# Altium PCB Control2.PcbDoc (part 2 of 2)
Units mil, origin at the board's own origin, x right, y up, seen from the top; angles counter-clockwise.
Board outline 2382.03 x 2197.03 mil, 2 copper layers (Top Layer, Bottom Layer); 85 components, 68 nets, 308 pads, 164 vias.
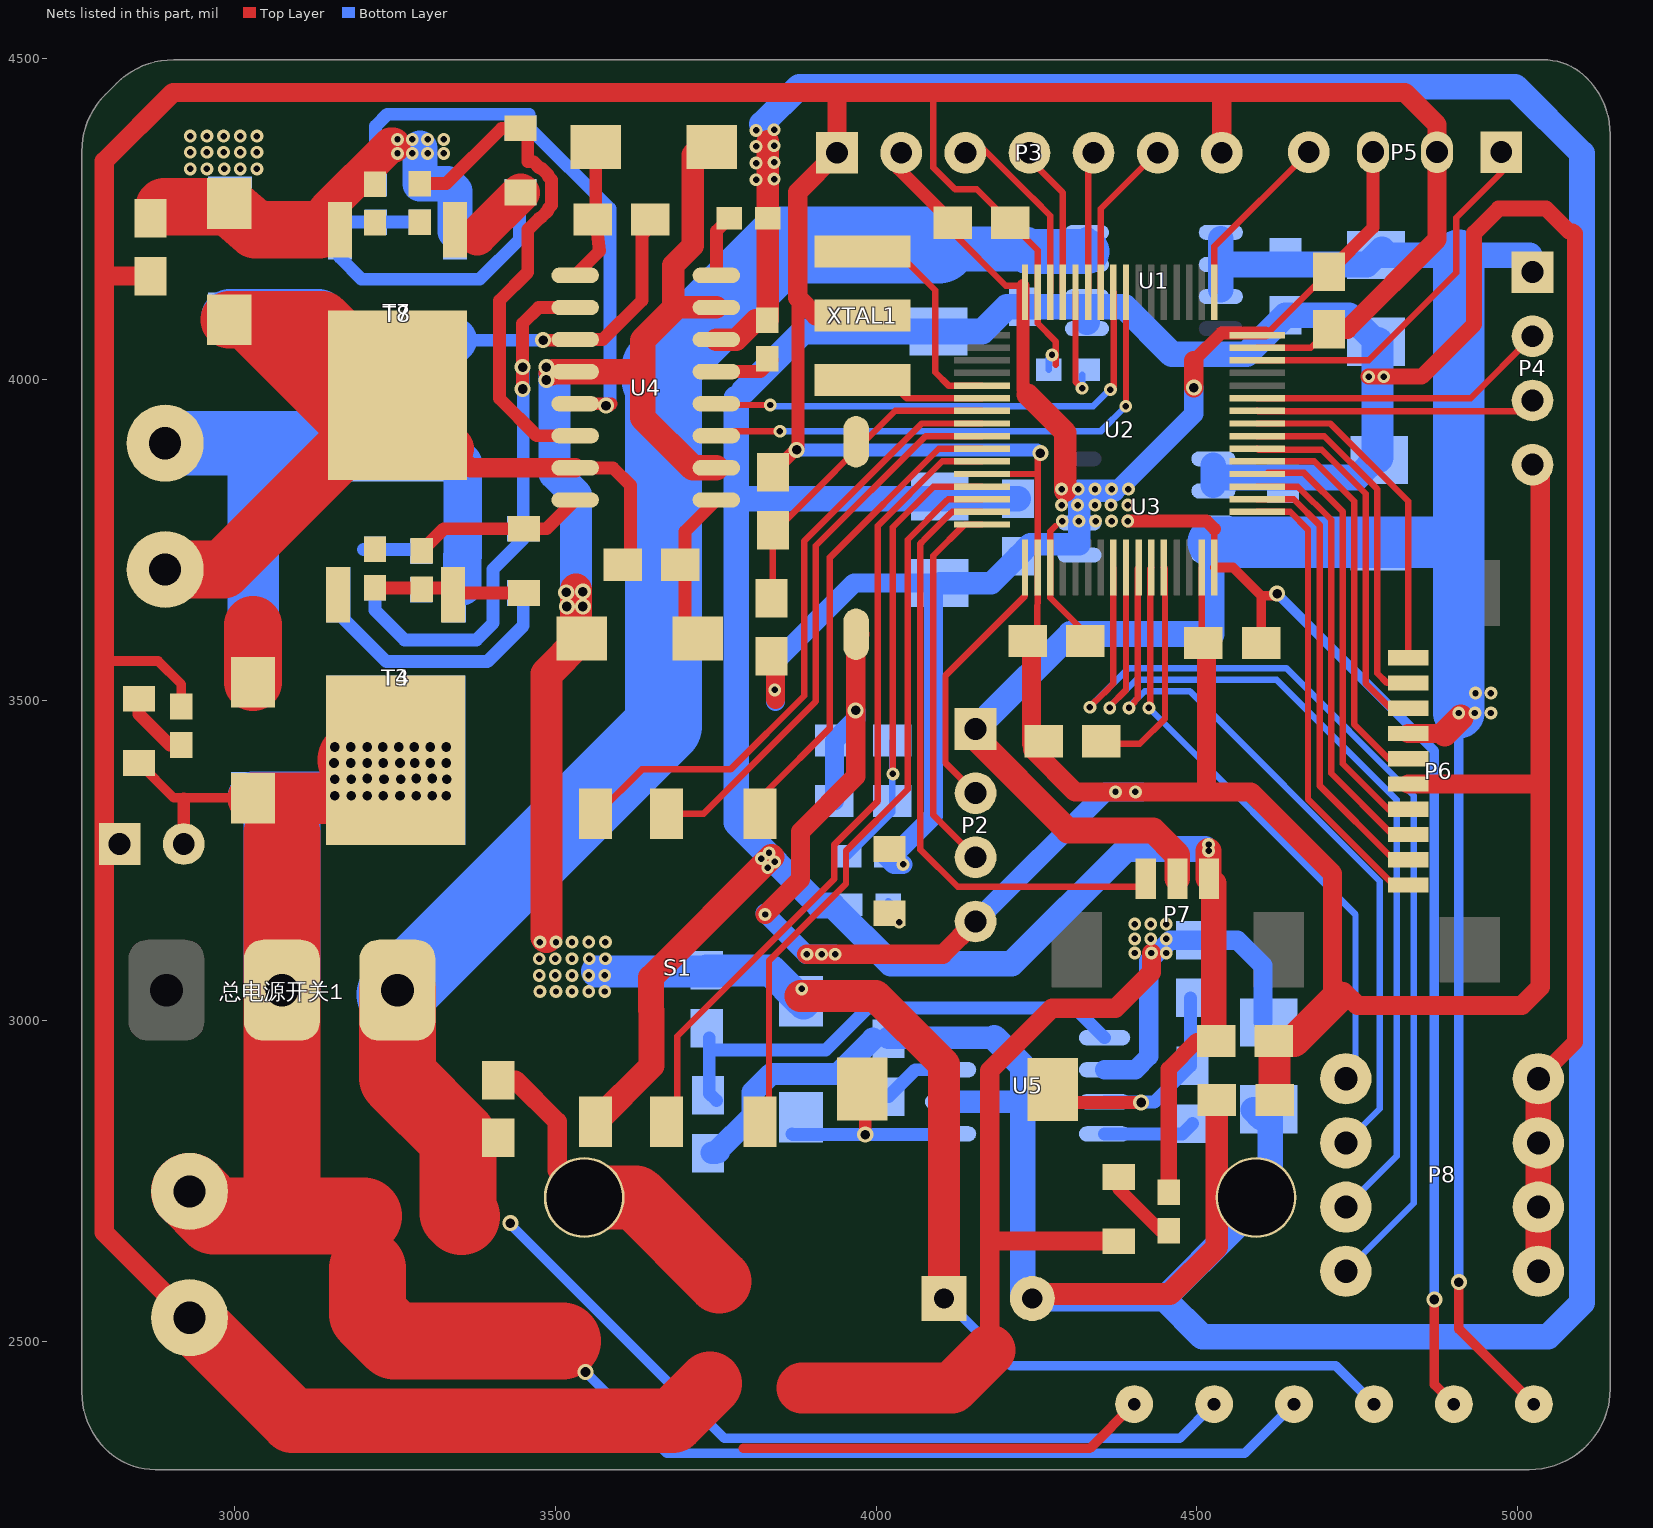
[diagram p2: the nets of this part, all layers, seen from the top]

## Part data
1 C5 C6 C7 C8 C9 C10: library part C1
C1 C2 C11 C12: library part "pol cap", "通用有极电容"
C3 C4 C13 C14: library part Cap, "无极电容"
C15 C17 C19: library part "Cap Semi", "Capacitor (Semiconductor SIM Model)"
C16: library part "Cap Pol SMT G", "Polarized Capacitor (Radial)"
C18: library part "Cap Pol1", "Polarized Capacitor (Radial)"
C20: library part Cap1, "无极贴片电容"
D1 D2 D3 D4 D5 D6 D7: library part 二极管
JMU1: library part JMU-LOGO
L1: library part Inductor
LED1 LED2 LED3 T1 T2 T5 T6: library part LED, "发光二极管"
P1 P9: library part "Header 2", "Header, 2-Pin"
P2 P4 P5: library part "Header 4"
P3: library part "Header 7", "排针"
P6: "软排线底座"
P7: library part 接线端子-3PIN, "3PIN"
P8: library part 拨码开关4, "4位拨码开关"
P12: "排针"
R1 R2 R3 R4 R6 R7 R8 R9 R10 R11 R12 R13 R14 R15: library part Res, "通用电阻"
R5 R16 R17 R18 R19 R20 R21 R22 R23 R24: library part Res, "电阻"
S1: library part 5轴按键, "5轴按键"
T3 T4 T7 T8: library part N_MOS(IRLR7843)
U1: "稳压元件（5V）"
U2: "STM32单片机64引脚"
U3: "稳压元件（3.3V）"
XTAL1: library part XTAL三脚贴片晶振
复位按键1: library part Key(两脚贴片)
总电源开关1: library part 钮子开关（大）, "AC 250V/6A"

## Free pads (board coordinates)
  round 125.98 hole 118.11: 2(3545,2725) 2(4592.15,2725)
  round 59.06 hole 19.68: 3(4900.4,2403) 3(5025,2403) 4(4775.8,2403) 5(4651.2,2403) 6(4526.6,2403) 7(4402,2403)

## Via types
v1: diameter 20, hole 10, Top Layer to Bottom Layer, 109 vias
v2: diameter 25, hole 15, Top Layer to Bottom Layer, 53 vias
v3: diameter 35.43, hole 35.43, Top Layer to Bottom Layer, 2 vias

## Nets (pads, with @x,y where several pads share a name; then routed paths per layer and width w, separated by ;. In a path a pad name is that pad's centre, name@x,y a point inside that pad or via, vN(x,y) a via of type N, cw(c..) or ccw(c..) an arc to the next point about the centre after c; other vN are vias at no path point)
3V3: C7.2 C8.2 C9.2 C10.2 C12.1 C14.2 LED1.1 P3.2 P5.3 pad.3@4900.4,2403 R5.2 R19.2 U2.19 U2.32 U2.48 U2.64 U3.5 U3.6 U3.7 | length 4666.7
  Top Layer w10: C7.2@4119,4244 4119,4229 4202,4146 U2.64@4228.61,4146 ; 4279,3771 4271.3,3763.3 U2.19@4271.3,3706.79 4271.3,3659.79 4336.09,3595 C8.2@4340,3595 ; U2.32@4527.2,3706.8 4527.2,3766.8 ; U2.48@4608.66,4070.66 C10.2@4706,4168
  Top Layer w15: U2.32@4528.02,3706.8 4556.2,3706.8 4600,3663 ; C9.2@4600,3589 4600,3663 ; v2(4625,3666) 4622,3663 4600,3663 ; v2(4870,2566) 4870,2433.4 pad.3@4900.4,2403
  Top Layer w20: P3.2@4035,4370 4035,4328 C7.2@4119,4244 ; 4228.61,3983.39 U2.64@4228.61,4146 ; v1(4392,3779) 4515,3779 4527.2,3766.8 ; 4495,4029.17 4538.14,4072.31 U2.48@4607,4072.31 ; C10.2@4706,4168 4774.5,4236.5 P5.3@4774.5,4353.62
  Top Layer w30: R19.2@3837.2,3568.51 3843,3562.72 3843,3501.6 ; v2(4495,3987) 4495,4029.17
  Top Layer w35: 4236,3976 4295,3917 v1@4295,3826
  Bottom Layer w15: v2(4625,3666) 4870,3421 v2(4870,2566)
  Bottom Layer w30: 3843,3498 3843,3560 3965.5,3682.5 C12.1@4089.45,3682.5 ; R5.2@4016,3256 4028,3244 v1(4042,3244) ; R5.2@4017,3257 4026.53,3257 4089.45,3319.93 C12.1@4089.45,3682.5 ; C12.1@4099,3682.5 C12.1@4089.45,3682.5 ; 4383,3834 4495,3946 v2(4495,3987)
  Bottom Layer w35: C12.1@4099,3682.5 4179.5,3682.5 C14.2@4221,3724 4240,3743 4316.86,3743 U3.6@4316.86,3776.06 U3.7@4316.86,3826.06 v1@4369.94,3826.06
  other v1: 3842,3516 4290,3779 4316,3779 4342,3779 4367,3779 4289,3804 4314,3804 4341,3804 4366,3804 4392,3804 4289,3829 4315,3829 4341,3829 4367,3829 4393,3829
5V: C2.1 C4.2 C11.1 C13.2 P2.1 P4.1 P6.7 P7.2 pad.3@5025,2403 U1.5 U1.6 U1.7 U3.3 U3.4 | length 3899.9
  Top Layer w15: v2(4908,2593) 4908,2520 pad.3@5025,2403
  Top Layer w30: P6.7@4829.02,3448.05 4886.05,3448.05
  Top Layer w40: P2.1@4144.95,3451.07 4299.02,3297 4431.74,3297 4469.46,3259.28 P7.2@4469.46,3221.65 ; 4886.05,3448.05 v1@4911,3473
  Bottom Layer w15: v2(4908,2593) v1(4908,3480)
  Bottom Layer w35: 4523,3603 4525.52,3605.52 U3.4@4525.52,3726.06 4525.52,3746 U3.3@4525.52,3766
  Bottom Layer w40: P2.1@4174.83,3474.95 4302.88,3603 4523,3603 ; U1.7@4537.14,4140 U1.6@4537.14,4178.94 ; U1.5@4537.14,4219 U1.6@4537.14,4178.94 ; C2.1@4779,4193.5 4908,4193.5 P4.1@5018.38,4193.5 ; C2.1@4788.25,4202.75 4764.44,4178.94 U1.6@4537.14,4178.94
  Bottom Layer w80: 4525.52,3746 4908,3746 ; v1(4908,3480) 4908,3746 ; 4908,4193.5 4908,3746
  other v1: 4933,3480 4958,3480 4934,3511 4958,3511
12V: C16.1 D5.2 D6.1 D7.1 pad.4 R15.2 U4.2 U4.7 U4.12 | length 3474.5
  Top Layer w35: D7.1@3727,4363 3714,4350 3714,4208 3684,4178 3684,4115 3687,4112 U4.7@3751,4112
  Top Layer w40: v2@3494,4010 3496,4012 U4.12@3531,4012 3623,4012 ; 3687,4112 3636,4061 3636,3940 3714,3862 U4.2@3751,3862
  Top Layer w50: 3486,3131 3486,3541 D6.1@3541,3596 ; D6.1@3532,3605 v2@3532,3672 ; 3882,3039 3999,3039 4105.54,2932.46 C16.1@4105.54,2567.53
  Bottom Layer w15: C16.1@4105.6,2567.53 4210.13,2463 4715.8,2463 pad.4@4775.8,2403
  Bottom Layer w50: 3499,4006 3499,3853 3532,3820 v2@3532,3648 ; 3565,3077 3766,3077 ; R15.2@3736,3079 3835.1,3079 D5.2@3883,3031.1 D5.2@3886.47,3027.63
  other v1: 3476,3046 3501,3046 3526,3046 3552,3046 3577,3046 3884,3050 3475,3071 3500,3071 3526,3071 3552,3071 3577,3071 3475,3097 3500,3097 3526,3097 3553,3097 3578,3097 3476,3123 3501,3123 3526,3123 3552,3123 3578,3123
  other v2: 3518,3646 3543,3646 3517,3668 3543,3669 3486,3999 3486,4019
AGND: C1.2 C2.2 C3.1 C4.1 C11.2 C12.2 C13.1 C14.1 P7.3 P8.5 P8.6 P8.7 P8.8 R16.2 R22.1 R23.1 S1.6 U1.1 U1.2 U3.1 U3.2 | length 6877.5
  Top Layer w25: R23.1@4456,2733 4456,2925 4500,2969 R16.2@4530,2969 ; v1(4767.63,4004.13) 4850.13,4004.13 4932,4086 4932,4228 4970,4266 5043.94,4266 5079.44,4230.5 5085.5,4230.5 5089,4227 5089,2967 P8.8@5032,2910
  Top Layer w40: S1.6@3562.85,2842.94 3649.9,2930 3649.9,3016.32 3649,3017.23 3649,3067.89 v1@3837,3255.89 ; P7.3@4518,3222.32 v1(4518,3265) ; P7.3@4518.67,3221.65 4526,3214.32 R16.2@4526,2984 ; P8.5@5032,2610 P8.6@5032,2710 P8.7@5032,2810 P8.8@5032,2910
  Bottom Layer w40: 3782,3814 C14.1@4221,3814 ; 3782,3970 3782,3309 3911,3180 3932,3180 4023,3089 4211,3089 4390,3268 v1@4513,3268 ; 3794,3982 3886.5,4074.5 C1.2@4097,4074.5 4165.5,4074.5 4204,4113 C3.1@4232,4113 4328.48,4113 ; U1.1@4328.48,4089 4328.48,4113 ; U3.2@4525.52,3835 4525.52,3847 ; U3.1@4525.52,3866 4525.52,3847 ; C11.2@4781,3878.5 4749.5,3847 4525.52,3847 ; C2.2@4781,4056.5 C2.2@4779,4058.5 4737.5,4100 C4.1@4638,4100 4577.13,4039.13 4460.87,4039.13 4387,4113 4328.48,4113
  Bottom Layer w50: C11.2@4781,3878.5 C2.2@4781,4056.5
  other v1: 3831,3239 3842,3248 3821,3253 3833,3261.89 4518,3275 4791,4004.13
AHB: C19.1 D7.2 U4.9 | length 194
  Top Layer w20: U4.9@3531,4162 3569,4200 3563,4249 D7.2@3563,4339.9
AHO: R2.1 T2.2 U4.10 | length 900.5
  Top Layer w20: v2(3449,3985) 3449,4087 3474,4112 U4.10@3531,4112
  Bottom Layer w20: R2.1@3219,3675 3219,3640 3265,3594 3377,3594 3403,3620 3403,3704 3450,3751 T2.2@3450,3767.05 3450,4021 3450.5,4020.5 v2(3449,4019) v2(3449,3985)
AHS: C19.2 D2.1 D4.2 P1.2 R4.1 T4.3 T8.2 U4.11 | length 1968.9
  Top Layer w20: v2(3481,4061) U4.11@3530,4061 ; U4.11@3531,4062 3574,4062 3635,4123 3635,4225 C19.2@3659,4249
  Bottom Layer w20: T8.2@3342.65,4061 v2(3481,4061)
  Bottom Layer w60: T8.2@3254,3972.35 3356,3870.35 3356,3724.88 3355,3723.88 T4.3@3355,3677.46
  Bottom Layer w70: T8.2@3254,3972.35 T8.2@3342.65,4061
  Bottom Layer w80: D2.1@3029,3530 3029,3879.43
  Bottom Layer w90: D4.2@2993,4095.9 3130.46,4095.9 T8.2@3254,3972.35
  Bottom Layer w100: P1.2@2892,3900.43 3182.07,3900.43 T8.2@3254,3972.35
ALO: R7.1 T6.2 U4.13 | length 917.9
  Top Layer w20: U4.13@3531,3962 3587,3962 3584,3959 v2(3579,3959)
  Bottom Layer w20: R7.1@3220,4305 3220,4395 3238,4413 3459,4413 ; T6.2@3435.05,4403 T6.2@3446,4392.05 3458.95,4392.05 3585,4266 3585,3965 v2(3579,3959)
B1: P8.1 U2.27 | length 938
  Top Layer w10: v1(4425,3488) 4427.09,3490.09 4427.09,3705.11 U2.27@4428.78,3706.8
  Bottom Layer w10: v1(4425,3488) 4747,3166 4747,2925 P8.1@4732,2910
B2: P8.2 U2.26 | length 1190.3
  Top Layer w10: v1@4394,3483 v1(4394,3488) 4402,3496 4402,3497.53 4407.41,3502.94 4407.41,3705.11 U2.26@4409.09,3706.79
  Bottom Layer w10: v1@4394,3483 v1(4394,3488) 4394,3489.53 4418.47,3514 4489,3514 4785,3218 4785,2863 P8.2@4732,2810
B3: P8.3 U2.25 | length 1441.2
  Top Layer w10: v1(4364,3488) 4364,3490.53 4389.41,3515.94 U2.25@4389.41,3706.8
  Bottom Layer w10: v1(4364,3488) 4364,3490.53 4405.47,3532 4624,3532 4811,3345 4811,2789 P8.3@4732,2710
B4: P8.4 U2.24 | length 1631.2
  Top Layer w10: v1(4333,3489) 4333,3489.53 4354.47,3511 4355,3511 4369.72,3525.72 U2.24@4369.72,3706.8
  Bottom Layer w10: v1(4333,3489) 4333,3489.53 4393.47,3550 4639,3550 4838,3351 4838,2716 P8.4@4732,2610
BHB: C15.2 D6.2 U4.1 | length 256.2
  Top Layer w20: D6.2@3721.1,3584 3702,3603.1 3702,3763 U4.1@3751,3812
BHO: R1.1 T1.2 U4.16 | length 271.7
  Top Layer w20: R1.1@3292,3733 3326.05,3767.05 T1.2@3451,3767.05 3486.05,3767.05 U4.16@3531,3812
BHS: C15.1 D1.1 D3.2 P1.1 R3.1 T3.3 T7.2 U4.15 | length 1624.8
  Top Layer w20: U4.15@3531,3862 3590,3862 3617,3835 C15.1@3617,3708
  Top Layer w30: T7.2@3338,3892 3368,3862 U4.15@3531,3862
  Top Layer w60: T7.2@3194.82,3916.18 T7.2@3219,3892
  Top Layer w70: T7.2@3254,3975.35 3337.35,3892 T7.2@3338,3892
  Top Layer w90: P1.1@2890,3694 P1.1@2892,3694 ; P1.1@2892,3703.57 2982.22,3703.57 3194.82,3916.18 D3.2@3018.1,4092.9 ; D3.2@2992,4092.9 D3.2@3018.1,4092.9 ; D1.1@3029,3528 3029,3617 ; T7.2@3254,3975.35 3136.46,4092.9 D3.2@3018.1,4092.9
BLO: R6.1 T5.2 U4.14 | length 823.5
  Top Layer w20: R6.1@3289,4305 3330,4305 3416.05,4391.05 T5.2@3446,4391.05 3456.95,4391.05 3456.95,4339.05 3465.88,4339.05 3475.88,4329.05 3478.46,4329.05 3489,4318.5 3489,4315.93 3494,4310.93 3494,4271.17 3489,4266.17 3489,4263.59 3478.46,4253.05 3478.22,4253.05 3477.64,4252.47 3477.2,4252.47 3475.12,4250.39 3474.72,4250.39 3460.15,4235.82 3459.24,4235.82 3456.95,4233.53 3456.95,4166.95 3413,4123 3413,3970 3471,3912 U4.14@3531,3912
BOOT0: R20.1 U2.60 | length 175.2
  Top Layer w10: U2.60@4310.67,4135.93 4310.67,3996.33 v1(4321,3986)
  Bottom Layer w10: v1(4321,3986) R20.1@4321,4007
BOOT1: R21.2 U2.28 | length 363.7
  Top Layer w10: R21.2@4339,3432 4411,3432 4450.15,3471.15 4450.15,3705.11 U2.28@4448.46,3706.8
GND: 1.2 C5.2 C6.2 C7.1 C8.1 C9.1 C10.1 C20.2 P2.4 P3.1 P3.7 P4.4 P5.2 P6.5 P9.1 P12.1 pad.2@3545,2725 pad.7 R16.1 R17.1 R18.1 R20.2 R21.1 R24.1 U2.12 U2.18 U2.31 U2.47 U2.63 XTAL1.3 复位按键1.2 | length 13198.6
  Top Layer w10: 4089,4444 4089,4330 4123,4296 4157,4296 C7.1@4209,4244 4251.61,4201.39 U2.63@4251.61,4135.93 4251.61,4087.39 4280,4059 4280,4023 ; U2.12@4165,3852.46 4250,3852.46 ; C8.1@4251.05,3586.99 4251.07,3591.93 U2.18@4251.61,3706.8 v2@4251.61,3880.61 ; v2@4256,3880.61 v2(4256,3885) ; C9.1@4507.52,3590.52 U2.31@4507.52,3706.8 ; U2.47@4594.13,4049.31 4677.31,4049.31 C10.1@4706,4078
  Top Layer w15: 2797,3561 2881,3561 2917,3525 R24.1@2917,3490 ; P12.1@2798.19,3275.81 P12.1@2820.99,3275.81 ; 3793,2334 4333,2334 pad.7@4402,2403
  Top Layer w20: 1.2@3839,3855 3874,3890 v2(3876,3890) 3878,3892 3878,4127
  Top Layer w30: R17.1@2869,4161 2797,4161 ; P9.1@2930,2537.57 2797,2670.57 2797,3561 2797,4161 ; C20.2@3411,2908 3438,2908 3503,2843 3503,2767 pad.2@3545,2725 ; v1(3827,3166) 3882,3221 3882,3295 3968,3381 v2(3968,3484) 3968,3595.91 复位按键1.2@3974.8,3602.71 ; v1(3892,3104) 4103.88,3104 P2.4@4154.95,3155.07 ; 3939,4446 P3.1@3939,4353 3878,4292 3878,4127 3905.76,4099.24 XTAL1.3@3978.64,4099.24 ; R21.1@4242,3432 C8.1@4242,3586 ; R21.1@4244,3432 4244,3423 4310,3357 v1(4373,3357) v1(4404,3357) 4515,3357 ; C9.1@4515,3580 4515,3357 ; P3.7@4538.61,4353 4538.61,4442.61 ; C10.1@4706,4078 4734,4078 4874.07,4218.07 P5.2@4874.07,4354.05 4874.07,4396.93 4824,4447 2904,4447 2797,4340 2797,4161 ; 4711,3044 4711,3230 4584,3357 4515,3357 ; 4728,3046 4750,3024 5006,3024 5035,3053 5035,3367 ; P6.5@4829.02,3369.31 5032.69,3369.31 5035,3367 ; P4.4@5035,3867.07 5035,3367
  Top Layer w50: R16.1@4620,2969 4651,2969 4719.5,3037.5 ; R18.1@4621,2877 R16.1@4621,2968
  Top Layer w100: P9.1@2930,2537.57 3090.57,2377 3683,2377 3741,2435 ; pad.2@3545,2725 3625,2725 3755.5,2594.5
  Bottom Layer w10: R20.2@4269,4015 v1@4269,4033
  Bottom Layer w20: v2@3885,3890 4251,3890 v2(4256,3885)
  Bottom Layer w30: v1@3827,3168 3891,3104 v1(3936,3104) ; C5.2@3935,3343 C6.2@3935,3437 3968,3470 v2(3968,3484) ; P2.4@4154.95,3155.07 4356.88,3357 4414,3357
  other v1: 3915,3104 4274,4038
IN_6V: D1.2 D2.2 LED3.1 P9.2 P12.2 pad.5 T3.2 T4.2 总电源开关1.2 | length 3321.2
  Top Layer w15: LED3.1@2851,3402 2905.1,3347.9 D1.2@3017,3347.9
  Top Layer w20: P12.2@2920.99,3275.81 2920.99,3345.89
  Top Layer w80: D1.2@3029,3346.9 T3.2@3191.54,3346.9
  Top Layer w120: P9.2@2930,2734.43 2968.43,2696 3201,2696 ; 3074,2700 总电源开关1.2@3074,3048 3074,3291 ; T3.2@3189.35,3406.35 T3.2@3251,3406.35 ; 3207,2614 3207,2543 3249,2501 3511,2501
  Bottom Layer w15: v2(3547,2453) 3673.5,2326.5 4574.7,2326.5 pad.5@4651.2,2403
  Bottom Layer w80: D2.2@3029,3348.9 T4.2@3153.9,3348.9
  Bottom Layer w120: 总电源开关1.2@3074,3048 3074,3303
  other v2: 3156,3351 3182,3351 3207,3351 3232,3351 3258,3351 3283,3351 3308,3351 3330,3351 3156,3377 3182,3377 3233,3377 3259,3377 3331,3377 3207,3378 3283,3378 3308,3378 3155,3402 3181,3402 3207,3402 3232,3402 3258,3402 3281,3402 3305,3402 3330,3402 3156,3427 3181,3427 3207,3427 3231,3427 3256,3427 3280,3427 3305,3427 3330,3427
K1: S1.1 U2.10 | length 709.2
  Top Layer w10: S1.1@3831.75,3360.26 3928,3456.5 3928,3722.46 4097.38,3891.83 U2.10@4165,3891.83
K2: S1.5 U2.11 | length 1269.2
  Top Layer w10: S1.5@3673.08,2842.94 3690,2859.86 3690,2976.46 3935,3221.46 3935,3275 4002.8,3342.8 4002.8,3771.8 4103.15,3872.15 U2.11@4165,3872.15
K3: S1.4 U2.14 | length 1142.1
  Top Layer w10: S1.4@3818.75,2842.94 3833,2857.19 3833,3094 3953,3214 3953,3265 4049,3361 4049,3749.87 4110.54,3811.41 ; 4112.22,3813.09 U2.14@4165,3813.09
K4: S1.2 U2.9 | length 877.7
  Top Layer w10: S1.2@3673.08,3323.26 3731.26,3323.26 3906,3498 3906,3740.54 4076.98,3911.52 U2.9@4165,3911.52
K5: S1.3 U2.8 | length 995.1
  Top Layer w10: S1.3@3562.85,3323.26 3566.26,3323.26 3635,3392 3773,3392 3888,3507 3888,3748 4071.21,3931.21 U2.8@4165,3931.21
M_6V: C18.1 LED2.1 R10.1 U5.6 | length 1814.2
  Top Layer w30: 4177,2487 4177,2923 4274,3020 4373,3020 4429,3076 v1(4429,3106) ; 4183,2657 LED2.1@4378,2657
  Top Layer w80: 3885,2428 4118,2428 4177,2487
  Bottom Layer w30: U5.6@4356,2924 4404,2924 4425,2945 4425,3093 4458,3126 R10.1@4492,3126 4563,3126 4603,3086 C18.1@4603,2998.5
  other v1: 4403,3106 4452,3106 4403,3128 4428,3128 4452,3128 4403,3151 4428,3151 4452,3151
NetC5_1: C5.1 C6.1 R5.1 U2.13 | length 757.9
  Top Layer w10: v1(4026,3385) 4026,3769.54 4089.24,3832.78 U2.13@4165,3832.78
  Bottom Layer w10: R5.1@3957,3257 4025,3325 C5.1@4025,3343 C6.1@4025,3437
NetC17_1: C17.1 U5.3 | length 114.4
  Bottom Layer w20: C17.1@4019,2882 4061,2924 U5.3@4116,2924
NetD5_1: D5.1 L1.2 U5.1 | length 313.8
  Top Layer w20: L1.2@3978,2868 L1.2@3978,2894 ; v2(3983,2823) L1.2@3983,2863
  Bottom Layer w20: D5.1@3869,2824 3870,2823 v2(3983,2823) 4115,2823 U5.1@4116,2824
NetL1_1: L1.1 R10.2 R11.2 U5.7 | length 409.5
  Top Layer w20: L1.1@4275,2893 4295,2873 v2(4413,2873)
  Bottom Layer w20: U5.7@4356,2874 4434,2874 4490,2930 R10.2@4490,3036
NetLED1_2: LED1.2 R22.2 | length 40
  Bottom Layer w10: R22.2@4019,3187 4036,3170 v1(4036,3154)
NetLED2_2: LED2.2 R23.2 | length 110.9
  Top Layer w20: LED2.2@4378,2757 4378,2738 R23.2@4443,2673
NetLED3_2: LED3.2 R24.2 | length 109.9
  Top Layer w20: LED3.2@2851,3502 2851,3478 2899,3430 R24.2@2917,3430
NetR1_2: R1.2 R3.2 T1.1 T3.1 | length 235.3
  Top Layer w20: R3.2@3219,3675 3329.99,3675 3337.94,3667.05 T1.1@3451,3667.05
NetR2_2: R2.2 R4.2 T2.1 T4.1 | length 541.4
  Bottom Layer w20: T4.1@3162.24,3696.24 T4.1@3162.24,3664.23 3162.24,3634.76 3237,3560 3394,3560 3450,3616 T2.1@3450,3667.05 ; 3201,3735 R2.2@3219,3735 R4.2@3288,3735
NetR6_2: R6.2 R8.2 T5.1 T7.1 | length 96.2
  Top Layer w60: 3377.95,4223 T5.1@3446,4291.05
NetR7_2: R7.2 R9.2 T6.1 T8.1 | length 542.9
  Bottom Layer w20: T8.1@3164.24,4230.23 3164.24,4189.76 3198,4156 3382,4156 3444,4218 T6.1@3444,4291.05 ; T8.1@3179.01,4245 R7.2@3220,4245 R9.2@3289,4245
NetR11_1: R11.1 U5.8 | length 143.6
  Bottom Layer w20: U5.8@4356,2824 4477,2824 R11.1@4493,2840
NetR12_2: R12.2 U4.5 | length 94.5
  Top Layer w20: U4.5@3751,4012 3820,4012 R12.2@3838,4030
NetR13_2: R13.2 U4.8 | length 97.3
  Top Layer w20: U4.8@3751,4162 3751,4231 R13.2@3771,4251
NetR14_2: R14.2 R15.1 U5.5 | length 762.5
  Bottom Layer w20: R15.1@3740,2974 3740,2887 R14.2@3751,2876 ; 3742,2955 3921.54,2955 3986.54,3020 4310,3020 U5.5@4356,2974
NetU2_5: U2.5 XTAL1.2 | length 364.5
  Top Layer w10: XTAL1.2@3961.64,4198.24 4032.76,4198.24 4092,4139 4092,4011 4112.74,3990.26 U2.5@4165,3990.26
NetU2_6: U2.6 XTAL1.1 | length 214.8
  Top Layer w10: XTAL1.1@3961.64,3998.24 4019.76,3998.24 4047.42,3970.58 U2.6@4165,3970.58
OLED_D0: P3.3 U2.62 | length 303.1
  Top Layer w10: P3.3@4135,4370 4156,4370 4244,4282 4244.38,4282 4271.3,4255.09 U2.62@4271.3,4135.93
OLED_D1: P3.4 U2.61 | length 257.3
  Top Layer w10: P3.4@4235,4370 4235,4347 4290.98,4291.02 U2.61@4290.98,4135.93
OLED_DC: P3.6 U2.58 | length 269.2
  Top Layer w10: U2.58@4350.04,4135.93 4350.04,4266.04 4434.8,4350.8 P3.6@4434.8,4370
OLED_RES: P3.5 U2.59 | length 235.9
  Top Layer w10: U2.59@4330.35,4135.93 4330.35,4365.55 P3.5@4334.8,4370
P_GND: D3.1 D4.1 R8.1 R9.1 R17.2 T7.3 T8.3 | length 577.5
  Top Layer w55: 3143,4265 3243,4365 3247,4365
  Top Layer w90: R17.2@2891,4269 2991,4269 3032.77,4233.23 3132.23,4233.23
  Bottom Layer w55: 3289,4360 R9.1@3289,4305 3332,4305 3343.76,4293.24 T8.3@3343.76,4230.23
  other v1: 2931,4328 2957,4328 2984,4328 3009,4328 3035,4328 3254,4352 3277,4352 3301,4352 3326,4352 2931,4354 2957,4354 2983,4354 3009,4354 3035,4354 3254,4374 3277,4374 3301,4374 3326,4374 2931,4379 2957,4379 2983,4379 3009,4379 3035,4379
PWM1: U2.56 U4.3 | length 835.3
  Top Layer w10: U4.3@3753,3914 3756,3917 3760,3913 3766,3919 v1(3850,3919) ; v1@4389.41,3958 U2.56@4389.41,4135.93
  Bottom Layer w10: v1(3850,3919) 4350.5,3919 ; 4350.5,3919.5 v1(4389,3958)
PWM2: U2.57 U4.4 | length 788.2
  Top Layer w10: U4.4@3753,3960 3757,3964 3763,3958 3770,3965 3775,3960 v1(3835,3960) ; v1(4365,3984) 4370,3989 4370,4135.65 U2.57@4369.72,4135.93
  Bottom Layer w10: v1(3835,3960) 3837,3958 4338,3958 4365,3985 v1(4365,3984)
RESET: 1.1 R19.1 U2.7 复位按键1.1 | length 502.7
  Top Layer w10: R19.1@3839,3660.31 1.1@3839,3765 ; 1.1@3844,3765 4029.89,3950.89 U2.7@4165,3950.89
RX_1: P6.1 U2.34 | length 721.8
  Top Layer w10: U2.34@4594.13,3793.41 4645.13,3793.41 4673,3765.54 4673,3345.54 4806.7,3211.83 P6.1@4829.02,3211.83
RX_2: P6.2 U2.35 | length 705.5
  Top Layer w10: U2.35@4594.13,3813.1 4650.9,3813.1 4691,3773 4691,3366.91 4806.7,3251.2 P6.2@4829.02,3251.2
RX_3: P6.3 U2.36 | length 690.9
  Top Layer w10: U2.36@4594.13,3832.78 4657.22,3832.78 4709,3781 4709,3386 4804.43,3290.57 P6.3@4829.02,3290.57
RX_4: P6.4 U2.37 | length 666.4
  Top Layer w10: U2.37@4610,3854.15 4666.85,3854.15 4727,3794 4727,3401 4798.06,3329.94 P6.4@4829.02,3329.94
RX_5: P6.6 U2.38 | length 630.7
  Top Layer w10: U2.38@4594.13,3872.15 4682.85,3872.15 4745,3810 4745,3462 4798.32,3408.68 P6.6@4829.02,3408.68
RX_6: P6.8 U2.39 | length 575.5
  Top Layer w10: U2.39@4594.13,3891.83 4595.82,3890.15 4694.39,3890.15 4763,3821.54 4763,3526 4801.58,3487.42 P6.8@4829.02,3487.42
RX_7: P6.9 U2.40 | length 562.4
  Top Layer w10: U2.40@4594.13,3911.52 4698.48,3911.52 4781,3829 4781,3542 4796.21,3526.79 P6.9@4829.02,3526.79
RX_8: P6.10 U2.41 | length 528.9
  Top Layer w10: U2.41@4594.13,3931.21 4707.79,3931.21 4829.02,3809.98 P6.10@4829.02,3566.16
S_GND: C16.2 C17.2 C18.2 pad.2@4592.15,2725 R12.1 R13.1 R14.1 R18.2 U4.6 U5.2 U5.4 | length 6329.2
  Top Layer w35: U4.6@3751,4062 3782,4062 3812,4092 R12.1@3830,4092 3831,4093 R13.1@3831,4251 3831,4371 ; C16.2@4239.39,2563.53 4250.39,2574.53 4457.53,2574.53 4531,2648 R18.2@4531,2877
  Bottom Layer w35: R14.1@3744,2795 3750,2795 3808,2853 3808,2889 3836.37,2917.37 3940.37,2917.37 C17.2@3995,2972 ; R14.1@3754,2796 R14.1@3755.06,2796 ; C17.2@4019,2974 U5.4@4116,2974 4184,2974 ; U5.2@4116,2874 4223,2874
  Bottom Layer w40: 3822,4398 3880,4456 4996,4456 5100,4352 5100,2561 5047,2508 4508.06,2508 4448.53,2567.53 ; 4184,2974 4228.39,2929.61 4228.39,2574.53 C16.2@4239.39,2563.53 ; C16.2@4243.39,2567.53 4448.53,2567.53 ; pad.2@4560.5,2679.5 4448.53,2567.53 ; C18.2@4588,2861.5 4598.55,2850.95 C18.2@4600.5,2849 ; pad.2@4614,2727 C18.2@4614,2862.5
  other v1: 3813,4311 3841,4312 3813,4337 3841,4338 3813,4363 3841,4364 3813,4388 3841,4389
SEVOR: P7.1 U2.15 | length 974.2
  Top Layer w10: U2.15@4165,3793.41 4118.39,3793.41 4116.71,3791.73 4116.31,3791.73 4075,3750.42 4075,3750.02 4069,3744.02 4069,3267 4127,3209 4407.59,3209 P7.1@4420.24,3221.65
SWCLK: P5.4 U2.49 | length 279
  Top Layer w10: U2.49@4527.2,4135.93 4527.2,4207.18 P5.4@4674.07,4354.05
SWDIO: P5.1 U2.46 | length 583.4
  Top Layer w10: U2.46@4594.13,4029.63 4767.63,4029.63 4904,4166 4904,4252 4974.07,4322.07 P5.1@4974.07,4354.05
USART1_RX: P4.2 U2.43 | length 468.8
  Top Layer w10: U2.43@4594.13,3970.58 4926.46,3970.58 P4.2@5022.95,4067.07
USART1_TX: P4.3 U2.42 | length 436.3
  Top Layer w10: U2.42@4594.13,3950.89 4595.02,3950 5005.88,3950 P4.3@5022.95,3967.07
USART2_RX: P2.2 U2.17 | length 422.5
  Top Layer w10: P2.2@4154.95,3355.07 4108,3402.02 4108,3538.38 4231.93,3662.31 U2.17@4231.93,3706.8
USART2_TX: P2.3 U2.16 | length 593.4
  Top Layer w10: P2.3@4154.95,3255.07 4089,3321.02 4089,3725 4137.73,3773.73 U2.16@4165,3773.73
VCC: C1.1 C3.2 C20.1 pad.6 U1.3 U1.4 总电源开关1.1 | length 3571.5
  Top Layer w120: 总电源开关1.1@3254,3048 3254,2912 3348,2818 3348,2701 3354,2695
  Bottom Layer w15: v2(3430,2685) 3430,2683 3763.5,2349.5 4473.1,2349.5 pad.6@4526.6,2403
  Bottom Layer w35: U1.3@4328.48,4188 4328.48,4199 U1.4@4328.48,4220
  Bottom Layer w70: C1.1@4103.5,4203 C3.2@4232,4203 ; C3.2@4236,4199 4328.48,4199
  Bottom Layer w120: 总电源开关1.1@3250.5,3041.5 3668.5,3459.5 3668.5,3994.34 3663,3999.84 3663,4018 3854.5,4209.5 C1.1@4097,4209.5
pads on no net: P6.0 P7.0 U1.8 U2.1 U2.2 U2.3 U2.4 U2.20 U2.21 U2.22 U2.23 U2.29 U2.30 U2.33 U2.44 U2.45 U2.50 U2.51 U2.52 U2.53 U2.54 U2.55 U3.8 总电源开关1.3
copper on no net:
  other v3: 3604.19,2996.49 3604.19,3169.71

## Polygon pours and split planes (outlines as drawn)
GND on Bottom Layer "Bottom Layer-No Net" (hatched 45Degree grid 20 track 8, remove dead copper, pour order 10): 3804.8,3944.16 3746,3885.36 3746,3167 3746,3131 3905,2972 4409,2972 4409,2975 4572,3138 4559,3151 4559,3758 4559,3769 4413,3915 4377,3951 3809.58,3951

## Keep-outs
Keep-Out Layer:
  lines w10: 2767,2483 2767,4355 cw(c2887.71,4355) 2802.36,4440.36 2819.64,4457.64 cw(c2905,4372.29) 2905,4493 5039.32,4493 cw(c5039.32,4402.03) 5103.64,4466.36 cw(c5018.29,4381) 5139,4381 5139,2567 5139,2427 cw(c5018.29,2427) 5103.64,2341.64 5103.36,2341.36 cw(c5018,2426.71) 5018,2306 2944,2306 2876.34,2306 cw(c2876.34,2410.63) 2802.36,2336.64 cw(c2887.71,2422) 2767,2422 2767,2490

## Other copper
Top Layer:
  rectangle net 12V: 3474,3989 3524,4032
  rectangle net NetR1_2: 3201,3587 3472,3693
  rectangle net BHS: 3169,3715 3237,3778
  rectangle net NetR6_2: 3201,4190 3401,4264
  rectangle net IN_6V: 3145,3280 3360,3451
  rectangle net BHS: 3123,3771 3264,3893
  rectangle net BHS: 2830,3620.83 3180,3813
  rectangle net IN_6V: 3478,2439 3634,2619.19
  rectangle net VCC: 3291,2583 3447,2789
  rectangle net IN_6V: 3112,2584 3268,2777
  rectangle net GND: 3654,2327 3810,2623.19
  rectangle net M_6V: 4387,3095 4468,3164
  rectangle net 3V3: 4274,3765 4408,3843
  rectangle net 12V: 3460,3029 3597,3142
  rectangle net 5V: 4890,3462 4965,3524
  rectangle net M_6V: 3846,2439 4002,2619.19
  rectangle net S_GND: 3803,4293 3854,4404
  rectangle net P_GND: 3242,4337 3333,4392
  rectangle net P_GND: 2914,4309 3051,4395
  rectangle net P_GND: 3013,4257 3051,4309
  rectangle net P_GND: 3051,4268 3176,4395
  rectangle net P_GND: 3176,4318 3235,4395
  rectangle net IN_6V: 2995,3272 3143,3312
  rectangle net BHS: 3001,3806 3165,4072
Bottom Layer:
  rectangle net 12V: 3474,3993 3524,4032
  rectangle net 12V: 3597,3066 3775,3143
  rectangle net NetR2_2: 3143,3753 3308,3793
  rectangle net NetR2_2: 3143,3696.24 3181,3712
  rectangle net NetR2_2: 3143,3712 3308,3753
  rectangle net P_GND: 3318,4294 3371,4388
  rectangle net NetR7_2: 3181,4165 3306,4265
  rectangle net IN_6V: 3143.19,3273 3361,3440.46
  rectangle net AHS: 2821,3840 3150.78,4139
  rectangle net M_6V: 4387,3095 4469,3164
  rectangle net 3V3: 4278,3758 4301,3765
  rectangle net 3V3: 4278,3765 4409,3843
  rectangle net 12V: 3458,3030 3597,3143
  rectangle net 5V: 4891,3464 4965,3523
  rectangle net S_GND: 3803,4293 3854,4404
  rectangle net P_GND: 3242,4337 3336,4388
  rectangle net P_GND: 2914,4309 3051,4395
  rectangle net P_GND: 2914,4236 3051,4309
  rectangle net AHS: 3274,3621 3373,3692
  rectangle net 5V: 4504,4161 5052,4232
  rectangle net 3V3: 4056,3646 4361,3761
  rectangle net 3V3: 4278,3758 4361,3772
  text "2019.3.17" at 3194,2331 h80

## Silkscreen, mask and mechanical layers (free items; w line width, h text height)
Top Overlay:
  text "T4" at 3412,4417 h60
  text "D1" at 4221,4263 h60
  text "RES" at 4295,4261 h60
  text "D0" at 4115,4260 h60
  text "DC" at 4413,4260 h60
  text "CS" at 4510,4259 h60
  text "DIO" at 4928,4259 h60
  text "3V3" at 4727,4258 h60
  text "GND" at 4824,4258 h60
  text "3V3" at 3997,4257 h60
  text "GND" at 3896,4256 h60
  text "5V" at 4912,4142 h60
  text "RX" at 4913,4046 h60
  text "TX" at 4912,3931 h60
  text "GND" at 4883,3817 h60
  text "T4" at 3420,3790 h60
  text "5V" at 4048,3431 h60
  text "5V" at 4731,3426 h60
  text "GND" at 4708,3347 h60
  text "-" at 2806,3339 h60
  text "+" at 2907,3339 h60
  text "RX" at 4051,3336 h60
  text "A1" at 4392,3262 h60
  text "5V" at 4448,3262 h60
  text "TX" at 4047,3223 h60
  text "GND" at 4023,3102 h60
  text "B2" at 4622,2784 h60
  text "IN_6V" at 3114,2782 h60
  text "VCC" at 3281,2780 h60
  text "+" at 2789,2708 h60
  text "B3" at 4622,2635 h60
  text "GND" at 3692,2630 h60
  text "M_6V" at 3847,2627 h60
  text "IN_6V" at 3485,2625 h60
  text "B4" at 4619,2550 h60
  text "-" at 2791,2514 h60
  text "GND" at 4359,2322.56 h60
  text "VCC" at 4482,2322.56 h60
  text "12V" at 4740,2322.56 h60
  text "3.3V" at 4850,2322.56 h60
  text "5V" at 4997,2322.56 h60
  text "IN_6V" at 4583,2322 h60
Top Solder:
  rectangle: 3653.34,2387 3809.34,2623.19
  rectangle: 3478,2440 3634,2620.19
  rectangle: 3291,2583 3447,2776
  rectangle: 3112,2583 3268,2776
  rectangle: 3846,2440 4002,2620.19
Bottom Solder:
  text "2019.3.17" at 3194,2331 h80

## Text inside footprints (layer, text, board x,y; h text height)
LOGO1: Bottom Layer "集" at 3325.1,2489.74 h30; Bottom Layer "大" at 3220.1,2489.74 h30; Bottom Layer "电" at 3293.1,2454.74 h30; Bottom Layer "协" at 3256.1,2454.74 h30; Bottom Solder "协" at 3256.1,2454.74 h30; Bottom Solder "电" at 3293.1,2454.74 h30; Bottom Solder "大" at 3220.1,2489.74 h30; Bottom Solder "集" at 3325.1,2489.74 h30
P1: Top Overlay "V" at 3010.11,3880.74 h50 r90; Top Overlay "V" at 3010.11,3683.89 h50 r90
P8: Top Overlay "1" at 4702,2995 h50 r270
P9: Top Overlay "V" at 3048.11,2714.74 h50 r90; Top Overlay "V" at 3048.11,2517.89 h50 r90
总电源开关1: Top Overlay "1" at 3329,3193 h50 r180